# KiCad board DQBSCEEEEEE.kicad_pcb
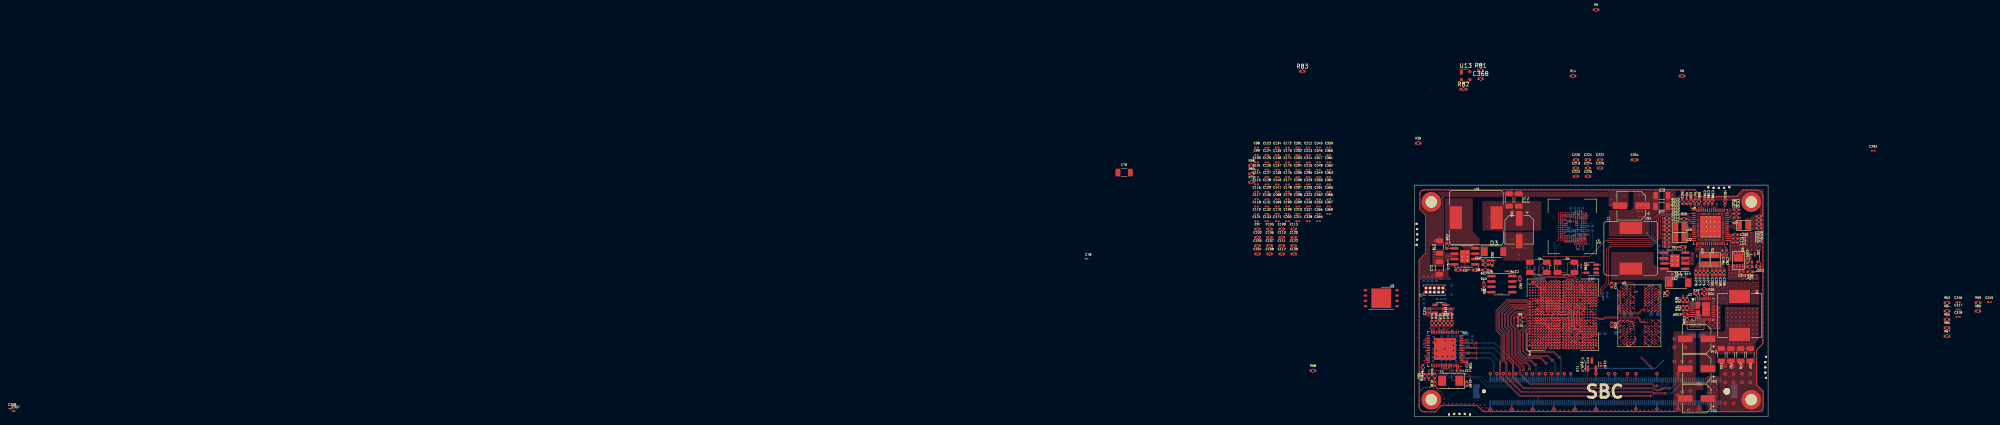
[diagram p0: board, top side]
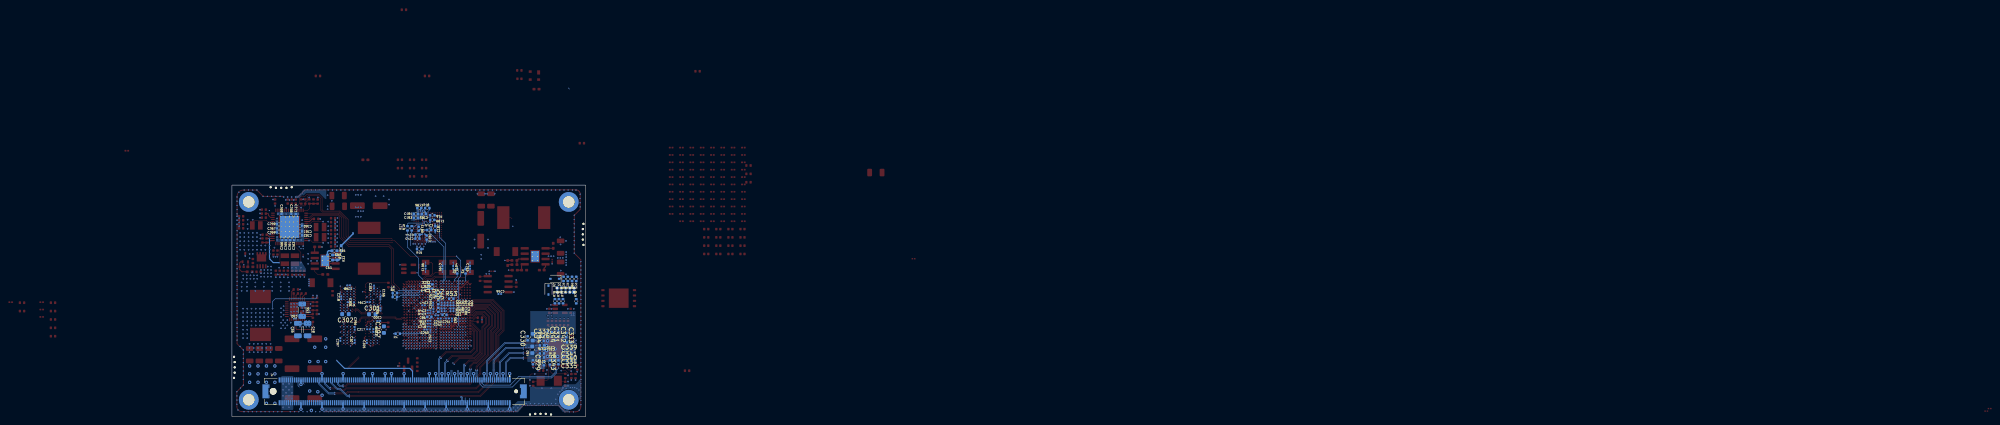
[diagram p1: board, bottom side, seen from below]

Outline 84 x 55 mm; copper layers: TOP, GND1, S1, PW1, S2, GND2 (plane), PW2, BOT. Coordinates in mm from the lower left corner of the outline.
Outline path: rectangle 0,55 84,0
Stack: TOP 0.035mm / dielectric 0.18mm FR4 er 4.5 / GND1 0.035mm / dielectric 0.23mm FR4 er 4.5 / S1 0.035mm / dielectric 0.18mm FR4 er 4.5 / PW1 0.035mm / dielectric 0.23mm FR4 er 4.5 / S2 0.035mm / dielectric 0.18mm FR4 er 4.5 / GND2 0.035mm / dielectric 0.23mm FR4 er 4.5 / PW2 0.035mm / dielectric 0.18mm FR4 er 4.5 / BOT 0.035mm

## Placement (name value [footprint] x y rotation side)
C46  33uF  [CP_Elec_6.3x7.7]  67.03 18.47 180 top
C47  10uF  [C_1206_3216Metric]  79.78 14.7 270 top
C48  10uF  [C_1206_3216Metric]  66.03 20.67 90 bottom
C49  10uF  [C_1206_3216Metric]  77.48 14.7 270 top
C50  220nF  [C0201_L]  69.03 23.27 180 bottom
C51  33uF  [CP_Elec_6.3x7.7]  67.03 4.27 180 top
C52  10uF  [C_1206_3216Metric]  75.18 14.7 270 top
C53  10uF  [C_1206_3216Metric]  72.88 14.7 270 top
C54  33uF  [CP_Elec_6.3x7.7]  67.03 11.37 180 top
C55  10uF  [C_1206_3216Metric]  68.33 20.67 90 bottom
C56  10uF  [C_1206_3216Metric]  67.31 25.27 270 bottom
C57  4.7uF  [C_0402_1005Metric_Pad0.74x0.62mm_HandSolder]  10.4 34.8 0 top
C58  0.47uF  [R_0402_1005Metric_Pad0.72x0.64mm_HandSolder]  7.68 40.57 270 top
C59  0.47u  [R_0402_1005Metric_Pad0.72x0.64mm_HandSolder]  16.9 37.1 180 top
C60  0.47u  [R_0402_1005Metric_Pad0.72x0.64mm_HandSolder]  18.5 36.5 90 top
C61  4.7uF  [C_0402_1005Metric_Pad0.74x0.62mm_HandSolder]  63.78 40.32 180 top
C62  0.47uF  [R_0402_1005Metric_Pad0.72x0.64mm_HandSolder]  61.83 33.77 0 top
C63  0.47u  [R_0402_1005Metric_Pad0.72x0.64mm_HandSolder]  60.7 37.2 0 bottom
C64  0.47u  [R_0402_1005Metric_Pad0.72x0.64mm_HandSolder]  60.7 38.4 0 bottom
C66  33uF  [CP_Elec_6.3x7.7]  24.9 44.4 270 top
C67  33uF  [CP_Elec_6.3x7.7]  51.5 50.1 180 top
C71  10uF  [C_1206_3216Metric]  22.48 51.47 90 top
C72  10uF  [C_1206_3216Metric]  5.93 35.27 90 top
C73  10uF  [C_1206_3216Metric]  58.78 52.52 0 top
C74  10uF  [C_1206_3216Metric]  24.78 51.47 90 top
C75  220nF  [C0201_L]  7.93 37.02 90 top
C76  10uF  [C_1206_3216Metric]  -68.95 57.98 0 top
C77  10uF  [C_1206_3216Metric]  58.73 49.97 0 top
C78  220nF  [C0201_L]  -77.91 37.5 0 top
C79  10uF  [C_1206_3216Metric]  5.93 40.27 270 top
C83  22uF  [C_0402_1005Metric]  34.98 27.16 90 bottom
C84  22uF  [C_0402_1005Metric]  34.98 25.36 270 bottom
C85  22uF  [C_0402_1005Metric]  33.5 24.17 180 bottom
C86  22uF  [C_0402_1005Metric]  37.1 23.7 0 bottom
C87  1uF  [C_0201_0603Metric]  34.18 25.36 270 bottom
C88  1uF  [C_0201_0603Metric]  33.48 25.36 270 bottom
C89  1uF  [C_0201_0603Metric]  31.38 26.76 90 bottom
C90  1uF  [C_0201_0603Metric]  32.08 26.76 90 bottom
C91  1uF  [C_0201_0603Metric]  37.2 22.07 0 bottom
C92  1uF  [C_0201_0603Metric]  34.18 26.76 270 bottom
C93  1uF  [C_0201_0603Metric]  31.38 25.36 90 bottom
C94  1uF  [C_0201_0603Metric]  33.48 26.76 270 bottom
C95  1uF  [C_0201_0603Metric]  31.73 22.96 270 bottom
C96  1uF  [C_0201_0603Metric]  32.78 26.76 270 bottom
C97  22uF  [C_0402_1005Metric]  -37.28 44.55 0 top
C98  1uF  [C_0201_0603Metric]  -37.49 63.91 0 top
C99  1uF  [C_0201_0603Metric]  -37.49 62.16 0 top
C100  1uF  [C_0201_0603Metric]  -37.49 60.41 0 top
C101  1uF  [C_0201_0603Metric]  -37.49 58.66 0 top
C102  22uF  [C_0402_1005Metric]  -37.28 42.58 0 top
C103  22uF  [C_0402_1005Metric]  -37.28 40.61 0 top
C104  22uF  [C_0402_1005Metric]  -37.28 38.64 0 top
C105  22uF  [C_0402_1005Metric]  -34.41 44.55 0 top
C106  22uF  [C_0402_1005Metric]  -34.41 42.58 0 top
C107  22uF  [C_0402_1005Metric]  -34.41 40.61 0 top
C108  22uF  [C_0402_1005Metric]  -34.41 38.64 0 top
C109  22uF  [C_0402_1005Metric]  -31.54 44.55 0 top
C110  22uF  [C_0402_1005Metric]  -31.54 42.58 0 top
C111  22uF  [C_0402_1005Metric]  -31.54 40.61 0 top
C112  22uF  [C_0402_1005Metric]  -31.54 38.64 0 top
C113  22uF  [C_0402_1005Metric]  -28.67 44.55 0 top
C114  1uF  [C_0201_0603Metric]  -37.49 56.91 0 top
C115  1uF  [C_0201_0603Metric]  -37.49 55.16 0 top
C116  1uF  [C_0201_0603Metric]  -37.49 53.41 0 top
C117  1uF  [C_0201_0603Metric]  -37.49 51.66 0 top
C118  1uF  [C_0201_0603Metric]  -37.49 49.91 0 top
C119  1uF  [C_0201_0603Metric]  -37.49 48.16 0 top
C120  22uF  [C_0402_1005Metric]  -28.67 42.58 0 top
C121  1uF  [C_0201_0603Metric]  -37.49 46.41 0 top
C122  22uF  [C_0402_1005Metric]  -28.67 40.61 0 top
C123  1uF  [C_0201_0603Metric]  -35.04 63.91 0 top
C124  1uF  [C_0201_0603Metric]  -35.04 62.16 0 top
C125  1uF  [C_0201_0603Metric]  -35.04 60.41 0 top
C126  1uF  [C_0201_0603Metric]  -35.04 58.66 0 top
C127  1uF  [C_0201_0603Metric]  -35.04 56.91 0 top
C128  1uF  [C_0201_0603Metric]  -35.04 55.16 0 top
C129  1uF  [C_0201_0603Metric]  -35.04 53.41 0 top
C130  1uF  [C_0201_0603Metric]  -35.04 51.66 0 top
C131  1uF  [C_0201_0603Metric]  -35.04 49.91 0 top
C132  1uF  [C_0201_0603Metric]  -35.04 48.16 0 top
C133  1uF  [C_0201_0603Metric]  -35.04 46.41 0 top
C134  1uF  [C_0201_0603Metric]  -32.59 63.91 0 top
C135  1uF  [C_0201_0603Metric]  -32.59 62.16 0 top
C136  1uF  [C_0201_0603Metric]  -32.59 60.41 0 top
C137  1uF  [C_0201_0603Metric]  -32.59 58.66 0 top
C138  1uF  [C_0201_0603Metric]  -32.59 56.91 0 top
C139  22uF  [C_0402_1005Metric]  -28.67 38.64 0 top
C140  1uF  [C_0201_0603Metric]  -32.59 55.16 0 top
C141  1uF  [C_0201_0603Metric]  -32.59 53.41 0 top
C166  4.7uF  [C_0201_0603Metric]  48.73 28.17 90 bottom
C167  4.7uF  [C_0201_0603Metric]  56.13 27.17 180 bottom
C168  1uF  [C_0201_0603Metric]  -32.59 51.66 0 top
C169  1uF  [C_0201_0603Metric]  -32.59 49.91 0 top
C170  1uF  [C_0201_0603Metric]  -32.59 48.16 0 top
C171  1uF  [C_0201_0603Metric]  -32.59 46.41 0 top
C172  1uF  [C_0201_0603Metric]  -30.14 63.91 0 top
C173  1uF  [C_0201_0603Metric]  -30.14 62.16 0 top
C174  1uF  [C_0201_0603Metric]  -30.14 60.41 0 top
C175  1uF  [C_0201_0603Metric]  -30.14 58.66 0 top
C176  1uF  [C_0201_0603Metric]  -30.14 56.91 0 top
C177  1uF  [C_0201_0603Metric]  -30.14 55.16 0 top
C178  1uF  [C_0201_0603Metric]  -30.14 53.41 0 top
C179  1uF  [C_0201_0603Metric]  -30.14 51.66 0 top
C180  1uF  [C_0201_0603Metric]  32.08 25.36 90 bottom
C181  1uF  [C_0201_0603Metric]  37.2 22.77 180 bottom
C182  0.1uF  [C_0402_1005Metric]  37.75 42.53 270 bottom
C183  0.1uF  [C_0402_1005Metric]  40.3 47.18 0 bottom
C184  0.1uF  [C_0402_1005Metric]  40.3 48.13 0 bottom
C185  0.1uF  [C_0402_1005Metric]  38.42 48.13 180 bottom
C186  0.1uF  [C_0402_1005Metric]  39.5 49.53 180 bottom
C187  0.1uF  [C_0402_1005Metric]  35.7 44.73 270 bottom
C188  0.1uF  [C_0402_1005Metric]  36.42 46.73 180 bottom
C189  0.1uF  [C_0402_1005Metric]  39.65 44.63 90 bottom
C190  1uF  [C_0201_0603Metric]  -30.14 49.91 0 top
C191  C  [C_0402_1005Metric]  4.83 7.78 270 top
C192  C  [C_0402_1005Metric]  12.43 7.78 270 top
C193  C  [C_0201_0603Metric]  27.44 35.46 90 bottom
C194  C  [C_0201_0603Metric]  31.44 35.46 270 bottom
C195  C  [C_0201_0603Metric]  34 35.47 90 bottom
C196  C  [C_0201_0603Metric]  38 35.47 270 bottom
C197  0.1uF  [C_0201_0603Metric]  44.2 12.35 270 top
C198  0.1uF  [C_0201_0603Metric]  39.6 35.75 270 top
C199  1uF  [C_0201_0603Metric]  -30.14 48.16 0 top
C200  1uF  [C_0201_0603Metric]  -30.14 46.41 0 top
C201  1uF  [C_0201_0603Metric]  -27.69 63.91 0 top
C202  1uF  [C_0201_0603Metric]  -27.69 62.16 0 top
C203  1uF  [C_0201_0603Metric]  -27.69 60.41 0 top
C204  1uF  [C_0201_0603Metric]  -27.69 58.66 0 top
C205  1uF  [C_0201_0603Metric]  -27.69 56.91 0 top
C206  1uF  [C_0201_0603Metric]  -27.69 55.16 0 top
C207  1uF  [C_0201_0603Metric]  -27.69 53.41 0 top
C208  1uF  [C_0201_0603Metric]  -27.69 51.66 0 top
C209  1uF  [C_0201_0603Metric]  -27.69 49.91 0 top
C210  1uF  [C_0201_0603Metric]  -27.69 48.16 0 top
C211  1uF  [C_0201_0603Metric]  -27.69 46.41 0 top
C212  1uF  [C_0201_0603Metric]  -25.24 63.91 0 top
C213  1uF  [C_0201_0603Metric]  -25.24 62.16 0 top
C214  1uF  [C_0201_0603Metric]  -25.24 60.41 0 top
C215  1uF  [C_0201_0603Metric]  -25.24 58.66 0 top
C217  4.7uF  [C_0201_0603Metric]  51.55 20.74 0 bottom
C218  4.7uF  [C_0201_0603Metric]  58.03 28.22 90 bottom
C219  22uF  [C_0402_1005Metric]  38.35 59.04 0 top
C220  22uF  [C_0402_1005Metric]  38.35 61.01 0 top
C221  22uF  [C_0402_1005Metric]  41.22 61.01 0 top
C222  4.7uF  [C_0402_1005Metric]  44.09 61.01 0 top
C223  22uF  [C_0402_1005Metric]  38.35 57.07 0 top
C224  22uF  [C_0402_1005Metric]  41.22 59.04 0 top
C225  22uF  [C_0402_1005Metric]  41.22 57.07 0 top
C226  22uF  [C_0402_1005Metric]  44.09 59.04 0 top
C227  22uF  [C_0402_1005Metric]  59.98 44.29 180 top
C228  22uF  [C_0402_1005Metric]  59.98 45.24 180 top
C229  22uF  [C_0402_1005Metric]  59.98 47.14 180 top
C230  22uF  [C_0402_1005Metric]  59.98 46.19 180 top
C231  22uF  [C_0402_1005Metric]  59.98 43.34 180 top
C232  22uF  [C_0402_1005Metric]  59.98 42.37 180 top
C233  22uF  [C_0402_1005Metric]  59.98 41.4 180 top
C234  22uF  [C_0402_1005Metric]  59.98 40.43 180 top
C235  22uF  [C_0402_1005Metric]  70.73 34.19 270 top
C236  22uF  [C_0402_1005Metric]  73.58 34.19 270 top
C237  22uF  [C_0402_1005Metric]  71.68 34.19 270 top
C238  22uF  [C_0402_1005Metric]  72.63 34.19 270 top
C239  22uF  [C_0402_1005Metric]  81.81 47.59 0 top
C240  22uF  [C_0402_1005Metric]  81.81 45.69 0 top
C241  22uF  [C_0402_1005Metric]  81.81 44.74 0 top
C242  22uF  [C_0402_1005Metric]  81.81 46.65 0 top
C243  0.1uF  [C_0402_1005Metric]  39.92 43.23 180 bottom
C244  0.1uF  [C_0402_1005Metric]  39.95 42.28 180 bottom
C245  0.1uF  [C_0402_1005Metric]  37.15 44.33 180 bottom
C246  1uF  [C_0201_0603Metric]  37.2 24.55 180 bottom
C247  1uF  [C_0201_0603Metric]  38.45 26.42 180 bottom
C248  1uF  [C_0201_0603Metric]  37.2 21.37 0 bottom
C249  1uF  [C_0201_0603Metric]  37.2 25.25 180 bottom
C250  1uF  [C_0201_0603Metric]  37.98 20.67 0 bottom
C251  1uF  [C_0201_0603Metric]  32.77 23.32 0 bottom
C252  1uF  [C_0201_0603Metric]  36.85 20.33 270 bottom
C253  1uF  [C_0201_0603Metric]  35.33 24.05 0 bottom
C254  1uF  [C_0201_0603Metric]  34.73 23.3 0 bottom
C255  1uF  [C_0201_0603Metric]  36.15 25.27 270 bottom
C256  1uF  [C_0201_0603Metric]  20.38 29.12 180 bottom
C257  1uF  [C_0201_0603Metric]  36.2 26.75 270 bottom
C258  4.7uF  [C_0402_1005Metric]  69.93 47.67 90 bottom
C259  4.7uF  [C_0402_1005Metric]  72.83 45.74 0 bottom
C260  4.7uF  [C_0402_1005Metric]  67.83 45.34 180 bottom
C261  4.7uF  [C_0402_1005Metric]  67.83 43.99 180 bottom
C262  4.7uF  [C_0402_1005Metric]  67.83 43.04 180 bottom
C263  4.7uF  [C_0402_1005Metric]  69.23 42.44 270 bottom
C264  4.7uF  [C_0402_1005Metric]  70.18 42.44 270 bottom
C265  4.7uF  [C_0402_1005Metric]  71.13 42.44 270 bottom
C266  4.7uF  [C_0402_1005Metric]  72.08 42.44 270 bottom
C267  4.7uF  [C_0402_1005Metric]  72.83 44.74 0 bottom
C268  4.7uF  [C_0402_1005Metric]  72.23 47.67 90 bottom
C269  4.7uF  [C_0402_1005Metric]  72.83 43.84 0 bottom
C270  4.7uF  [C_0402_1005Metric]  76.42 48.22 180 top
C271  4.7uF  [C_0402_1005Metric]  68.8 47.64 90 bottom
C272  4.7uF  [C_0402_1005Metric]  75.78 41.84 270 top
C273  4.7uF  [C_0402_1005Metric]  76.75 41.84 90 top
C274  0.1uF  [C_0402_1005Metric]  10.35 14.05 180 bottom
C275  22uF  [C_0402_1005Metric]  67.78 34.19 270 top
C276  22uF  [C_0402_1005Metric]  68.73 34.19 270 top
C277  22uF  [C_0402_1005Metric]  69.68 34.19 270 top
C278  22uF  [C_0402_1005Metric]  66.83 34.19 270 top
C279  220nF  [C0201_L]  22.17 34.52 180 top
C281  22uF  [C_0402_1005Metric]  73.19 38.97 270 top
C282  22uF  [C_0402_1005Metric]  74.14 38.97 270 top
C283  22uF  [C_0402_1005Metric]  76.42 47.27 0 top
C284  22uF  [C_0402_1005Metric]  73.75 51.1 90 top
C285  4.7uF  [C_0402_1005Metric]  76.42 49.17 180 top
C286  4.7uF  [C_0402_1005Metric]  69.78 51.1 270 top
C287  4.7uF  [C_0402_1005Metric]  68.85 51.1 270 top
C288  4.7uF  [C_0402_1005Metric]  70.75 51.1 270 top
C290  4.7uF  [C_0402_1005Metric]  76.23 43.22 0 top
C291  4.7uF  [C_0402_1005Metric]  63.63 51.08 90 top
C292  22uF  [C_0603_1608Metric]  47.91 20.66 90 bottom
C293  4.7uF  [C_0201_0603Metric]  108.97 63.16 0 top
C294  4.7uF  [C_0201_0603Metric]  51.5 27.2 180 bottom
C295  1uF  [C_0201_0603Metric]  -25.24 56.91 0 top
C296  4.7uF  [C_0201_0603Metric]  54.84 20.98 90 bottom
C297  4.7uF  [C_0201_0603Metric]  58.23 18.34 90 bottom
C298  4.7uF  [C_0201_0603Metric]  56.26 31.19 180 bottom
C299  4.7uF  [C_0201_0603Metric]  50.4 20.44 270 bottom
C300  4.7uF  [C_0201_0603Metric]  49.1 22.7 180 bottom
C301  22uF  [C_0603_1608Metric]  50.66 24.31 180 bottom
C302  22uF  [C_0603_1608Metric]  57.03 24.34 0 bottom
C303  4.7uF  [C_0201_0603Metric]  50.23 30.79 90 bottom
C304  4.7uF  [C_0201_0603Metric]  55 26.8 90 bottom
C305  4.7uF  [C_0201_0603Metric]  51.96 17.8 90 bottom
C306  4.7uF  [C_0201_0603Metric]  48.71 25.51 90 bottom
C307  4.7uF  [C_0201_0603Metric]  54.83 17.84 90 bottom
C308  2.2uF  [C_0402_1005Metric]  64.78 22.99 270 top
C309  22uF  [C_0402_1005Metric]  64.33 24.37 180 top
C310  0.1uF  [C_0402_1005Metric]  10.35 16.9 180 bottom
C311  0.1uF  [C_0402_1005Metric]  10.35 15.95 180 bottom
C312  22uF  [C_0402_1005Metric]  77.68 34.41 0 top
C313  22uF  [C_0402_1005Metric]  8.59 25.13 90 top
C314  22uF  [C_0402_1005Metric]  3.55 25.13 90 top
C315  1uF  [C_0201_0603Metric]  136.54 27.18 0 top
C316  4.7uF  [C_0201_0603Metric]  129.18 27.18 0 top
C317  0.1uF  [C_0201_0603Metric]  129.18 25.43 0 top
C318  0.1uF  [C_0201_0603Metric]  129.18 23.68 0 top
C319  1uF  [C_0201_0603Metric]  -25.24 55.16 0 top
C320  1uF  [C_0201_0603Metric]  -25.24 53.41 0 top
C321  22uF  [C_0402_1005Metric]  79.03 36.97 270 top
C322  22uF  [C_0402_1005Metric]  81.68 35.6 180 top
C323  1uF  [C_0201_0603Metric]  -25.24 51.66 0 top
C324  0.1uF  [C_0402_1005Metric]  9.9 12.65 90 bottom
C325  0.1uF  [C_0402_1005Metric]  10.35 15 180 bottom
C326  0.1uF  [C_0402_1005Metric]  10.4 18 180 bottom
C327  0.01uF  [C_0402_1005Metric]  10.53 10.92 180 top
C328  C  [C_0402_1005Metric]  3.38 9.62 270 top
C329  10uF  [C_0402_1005Metric]  12.5 12.91 270 bottom
C330  10uF  [C_0402_1005Metric]  13.75 18.6 90 bottom
C331  10uF  [C_0402_1005Metric]  8.02 19.55 270 bottom
C332  0.1uF  [C_0402_1005Metric]  10.4 19.1 180 bottom
C333  0.1uF  [C_0402_1005Metric]  4.6 19.35 270 bottom
C334  0.1uF  [C_0402_1005Metric]  3.93 14.1 0 bottom
C335  10uF  [C_0402_1005Metric]  3.93 13.17 0 bottom
C336  1uF  [C_0201_0603Metric]  -25.24 49.91 0 top
C337  1uF  [C_0201_0603Metric]  -25.24 48.16 0 top
C338  1uF  [C_0201_0603Metric]  -25.24 46.41 0 top
C339  10uF  [C_0402_1005Metric]  3.93 17.62 0 bottom
C340  0.1uF  [C_0402_1005Metric]  3.93 15.11 0 bottom
C341  10uF  [C_0402_1005Metric]  3.93 16.03 0 bottom
C342  0.1uF  [C_0402_1005Metric]  6.45 19.52 270 bottom
C343  0.1uF  [C_0402_1005Metric]  6.45 12.89 90 bottom
C344  0.1uF  [C_0402_1005Metric]  9 19.55 270 bottom
C345  1uF  [C_0201_0603Metric]  -22.79 63.91 0 top
C346  1uF  [C_0201_0603Metric]  -22.79 62.16 0 top
C347  1uF  [C_0201_0603Metric]  -22.79 60.41 0 top
C348  1uF  [C_0201_0603Metric]  -22.79 58.66 0 top
C349  1uF  [C_0201_0603Metric]  -22.79 56.91 0 top
C350  1uF  [C_0201_0603Metric]  -22.79 55.16 0 top
C351  1uF  [C_0201_0603Metric]  -22.79 53.41 0 top
C352  1uF  [C_0201_0603Metric]  -22.79 51.66 0 top
C353  1uF  [C_0201_0603Metric]  -22.79 49.91 0 top
C354  22uF  [R_0402_1005Metric_Pad0.72x0.64mm_HandSolder]  52.29 61 0 top
C355  1uF  [C_0201_0603Metric]  -22.79 48.16 0 top
C356  1uF  [C_0201_0603Metric]  -22.79 46.41 0 top
C357  220nF  [C0201_L]  -332.72 1.3 0 top
C358  220nF  [C0201_L]  -333.52 1.9 0 top
C359  1uF  [C_0201_0603Metric]  -20.34 63.91 0 top
C360  1uF  [C_0201_0603Metric]  -20.34 62.16 0 top
C361  1uF  [C_0201_0603Metric]  -20.34 60.41 0 top
C362  1uF  [C_0201_0603Metric]  -20.34 58.66 0 top
C363  1uF  [C_0201_0603Metric]  -20.34 56.91 0 top
C364  1uF  [C_0201_0603Metric]  -20.34 55.16 0 top
C365  1uF  [C_0201_0603Metric]  -20.34 53.41 0 top
C366  1uF  [C_0201_0603Metric]  -20.34 51.66 0 top
C367  1uF  [C_0201_0603Metric]  -20.34 49.91 0 top
C368  22uF  [C_0402_1005Metric]  15.71 80.27 0 top
C369  1uF  [C_0201_0603Metric]  -20.34 48.16 0 top
D1  D_Schottky  [D_SOD-323]  7.31 32.74 0 bottom
D2  D_Schottky  [D_SOD-323]  8.81 30.06 270 bottom
D3  RSX501LAM20TR  [D_SOD-128]  18.9 39.2 0 top
D4  RSX501LAM20TR  [D_SOD-128]  62.8 31.8 0 top
e  -  [Mouse_Bite]  16 0 180 top
e#2  -  [Mouse_Bite]  0 38 90 top
e#3  -  [Mouse_Bite]  67 55 0 top
e#4  -  [Mouse_Bite]  84 17 270 top
FB2  FerriteBead_Small  [L_0603_1608Metric]  12.68 15.87 270 bottom
FB4  FerriteBead_Small  [L_0603_1608Metric]  12.53 18.87 270 bottom
H1  MountingHole_Pad  [MountingHole_2.7mm_M2.5_DIN965_Pad]  80 51 0 top
H2  MountingHole_Pad  [MountingHole_2.7mm_M2.5_DIN965_Pad]  4 4 0 top
H3  MountingHole_Pad  [MountingHole_2.7mm_M2.5_DIN965_Pad]  4 51 0 top
H4  MountingHole_Pad  [MountingHole_2.7mm_M2.5_DIN965_Pad]  80 4 0 top
J1  3-1827253-6  [CONN_3-1827253-6]  45.35 6 180 bottom
J2  Conn_02x05_Odd_Even  [PinHeader_2x05_P1.00mm_Vertical]  2.74 29.56 90 top
L9  47uH  [IHLP-4040]  77.23 24.02 270 top
L10  47uH  [L_Bourns_SRR1260]  14.68 47.27 0 top
L11  47uH  [L_Bourns_SRR1260]  51.4 40 90 top
L15  1uH  [74404024010]  63.05 45.02 0 top
L22  1uH  [74404024010]  63.05 42.62 0 top
L23  1uH  [74404024010]  71.43 37.27 90 top
L24  1uH  [74404024010]  78.2 45.42 180 top
L25  1uH  [74404024010]  69.03 37.27 90 top
Q2  2SK3018-TP  [SOT-323_SC-70]  80.83 37.77 90 top
Q3  SI7309DN-T1-E3  [POWERPAK_1212_8_S]  75.98 35.71 90 top
R2  R_US  [R_0402_1005Metric]  30.5 34.49 90 bottom
R3  R_US  [R_0402_1005Metric]  28.5 34.49 90 bottom
R4  0  [R_0402_1005Metric]  44.6 19.69 0 bottom
R5  100  [R_0402_1005Metric]  43.14 96.66 0 top
R6  100  [R_0402_1005Metric]  63.57 80.93 0 top
R7  100k  [R_0402_1005Metric]  45.3 29.37 180 bottom
R8  4.7k  [R_0402_1005Metric]  45.3 28.42 180 bottom
R9  200  [R_0402_1005Metric]  25.1 23.49 0 top
R10  200  [R_0402_1005Metric]  25.1 22.49 0 top
R11  240  [R_0402_1005Metric]  60.1 29.3 270 top
R12  240  [R_0402_1005Metric]  46.83 31.27 270 top
R13  10K  [R_0402_1005Metric]  46.88 21.82 90 top
R14  10K  [R_0402_1005Metric]  37.65 80.93 0 top
R15  4.7k  [R_0402_1005Metric]  39.53 39.81 0 bottom
R16  0  [R_0402_1005Metric]  36.4 47.83 180 bottom
R17  0  [R_0402_1005Metric]  42.3 44.73 270 bottom
R18  4.7k  [R_0402_1005Metric]  37.6 49.53 0 bottom
R19  0  [R_0402_1005Metric]  41.3 44.73 90 bottom
R20  0  [R_0402_1005Metric_Pad0.72x0.64mm_HandSolder]  16.9 36.1 180 top
R21  7.15k  [R_0402_1005Metric_Pad0.72x0.64mm_HandSolder]  16.8 34.8 180 top
R22  7.15k  [R_0402_1005Metric_Pad0.72x0.64mm_HandSolder]  14.6 34.8 180 top
R23  100K  [R_0402_1005Metric]  65.63 51.1 90 top
R24  10K  [R_0402_1005Metric]  64.63 51.1 270 top
R25  0  [R_0402_1005Metric]  64 46.97 0 top
R26  7.15k  [R_0402_1005Metric]  68.83 30.2 0 top
R27  7.15k  [R_0402_1005Metric]  64.75 27.7 90 top
R28  7.15k  [R_0402_1005Metric]  63.8 27.7 90 top
R29  7.15k  [R_0402_1005Metric]  66.95 29.25 0 top
R30  7.15k  [R_0402_1005Metric]  68.83 29.25 180 top
R31  7.15k  [R_0402_1005Metric]  63.8 25.77 90 top
R32  7.15k  [R_0402_1005Metric]  64.75 25.77 90 top
R33  0  [R_0402_1005Metric_Pad0.72x0.64mm_HandSolder]  59 37.8 270 bottom
R34  7.15k  [R_0402_1005Metric_Pad0.72x0.64mm_HandSolder]  58.05 40 270 bottom
R35  7.15k  [R_0402_1005Metric_Pad0.72x0.64mm_HandSolder]  59.65 39.4 0 bottom
R36  7.15k  [R_0402_1005Metric_Pad0.72x0.64mm_HandSolder]  79.63 35.57 0 top
R37  7.15k  [R_0402_1005Metric_Pad0.72x0.64mm_HandSolder]  79.78 34.41 0 top
R38  2k  [R_0402_1005Metric]  12.43 12.42 270 top
R39  1M  [R_0402_1005Metric]  0.88 64.96 0 top
R40  39  [R_0402_1005Metric]  4.82 9.65 270 top
R41  0  [R_0402_1005Metric]  6.05 22.2 270 top
R42  0  [R_0402_1005Metric]  7 22.2 270 top
R43  0  [R_0402_1005Metric]  7.95 22.2 270 top
R44  0  [R_0402_1005Metric]  8.9 22.2 270 top
R45  0  [R_0402_1005Metric]  4.15 22.2 270 top
R46  0  [R_0402_1005Metric]  5.1 22.2 270 top
R47  0  [R_0402_1005Metric]  8.48 12.87 90 bottom
R48  0  [R_0402_1005Metric]  7.48 12.87 90 bottom
R49  0  [R_0402_1005Metric]  1.98 11.67 90 top
R50  0  [R_0402_1005Metric]  36.4 30.9 90 bottom
R51  0  [R_0402_1005Metric]  37.3 30.9 90 bottom
R52  0  [R_0402_1005Metric]  35.05 28.55 180 bottom
R53  0  [R_0402_1005Metric]  31.9 28 180 bottom
R54  10k  [R_0402_1005Metric]  2.38 9.62 270 top
R55  0  [R_0402_1005Metric]  35.05 29.55 0 bottom
R56  4.7K  [R_0402_1005Metric]  67.53 51.1 270 top
R57  4.7K  [R_0402_1005Metric]  66.58 51.1 270 top
R58  0  [R_0402_1005Metric]  -24.11 10.9 0 top
R59  240  [R_0402_1005Metric]  133.86 27.06 0 top
R60  10k  [R_0402_1005Metric]  133.86 25.07 0 top
R61  49.9  [R_0402_1005Metric]  16.47 31.35 90 top
R62  49.9  [R_0402_1005Metric]  25.07 32.75 270 top
R63  150  [R_0402_1005Metric]  126.5 27.06 0 top
R64  150  [R_0402_1005Metric]  126.5 25.07 0 top
R65  1.5k  [R_0402_1005Metric]  126.5 23.08 0 top
R66  1.5k  [R_0402_1005Metric]  126.5 21.09 0 top
R67  0  [R_0402_1005Metric]  126.5 19.1 0 top
R68  1M  [R_0402_1005Metric]  -38.7 59.66 0 top
R69  1M  [R_0402_1005Metric]  -38.7 57.67 0 top
R70  10k  [R_0402_1005Metric]  -38.7 55.68 0 top
R71  100k  [R_0402_1005Metric]  39.98 11.36 90 top
R72  1.5k  [R_0402_1005Metric]  39.98 13.34 270 top
R73  10k  [R_0402_1005Metric]  2.21 32.72 90 bottom
R74  10k  [R_0402_1005Metric]  4.21 32.72 90 bottom
R75  39  [R_0402_1005Metric]  5.21 32.72 90 bottom
R76  100  [R_0402_1005Metric]  2.21 27.4 270 bottom
R77  0  [R_0402_1005Metric]  5.36 27.41 270 bottom
R78  0  [R_0402_1005Metric]  6.31 27.41 270 bottom
R79  0  [R_0402_1005Metric]  7.27 27.41 270 bottom
R80  10k  [R_0402_1005Metric]  3.21 32.72 90 bottom
R81  10K  [R_0402_1005Metric]  15.73 82.25 0 top
R82  7.15k  [R_0402_1005Metric_Pad0.72x0.64mm_HandSolder]  11.65 77.8 0 top
R83  4.7k  [R_0402_1005Metric]  -26.61 82.05 0 top
U1  MIMX8MD6DVAJZAB  [BGA621C65P25X25_1700X1700X218N]  35.25 24.19 90 top
U2  SIC402ACD-T1-GE3  [PowerPAK_MLP55-32L]  68.53 25.52 0 top
U3  MT53E1G32D2FW-046_WT:A  [200-Ball TFBGA – 10mm x 14.5mm x 1.1mm]  53.43 23.94 0 top
U4  SDINBDG4-16G-I2  [BGA153N50P14X14_1300X1150X80]  37.5 45.18 180 top
U5  VSC8541XMV-02  [QFN-68-1EP_8x8mm_P0.4mm_EP5.2x5.2mm]  7.23 16.07 180 top
U6  IS25LP256D-JLLE  [WSON-8-1EP_8x6mm_P1.27mm_E4.7X4.6mm]  -7.87 28.13 0 top
U7  TPS78412QDBVRQ1  [SOT-23-5]  6.07 25.6 180 top
U8  MC32PF4210A3ES  [QFN-56-1EP_8x8mm_P0.5mm_EP4.5x5.2mm_ThermalVias]  70.33 45.07 0 top
U9  TPS54531DDA  [SOIC-8-1EP_3.9x4.9mm_P1.27mm_EP2.29x3mm_ThermalVias]  11.98 38.07 0 top
U10  TPS54531DDA  [SOIC-8-1EP_3.9x4.9mm_P1.27mm_EP2.29x3mm_ThermalVias]  61.85 37.02 180 top
U11  TLV803EB26RDBZR  [SOT-23]  42.15 12.35 90 top
U12  SIT1630AI-S4-DCC-32.768G  [SOT-23-5]  42.03 35.12 180 top
U13  APX811-26UG-7  [SOT-143]  12.15 81.02 0 top
U26  W25Q32JWSSIQ  [SOIC-8_3.9x4.9mm_P1.27mm]  20.77 31.47 0 top
Y1  Crystal  [Crystal_SMD_Abracon_ABM3-2Pin_5.0x3.2mm]  8.63 8.52 180 top
Y4  ABM3B-25.000MHZ-D4Y-T  [Crystal_SMD_Abracon_ABM3B-4Pin_5.0x3.2mm]  29.44 35.46 180 top
Y5  ABM3B-25.000MHZ-D4Y-T  [Crystal_SMD_Abracon_ABM3B-4Pin_5.0x3.2mm]  35.99 35.46 180 top
